# KiCad board boatcontrol.kicad_pcb (continued)
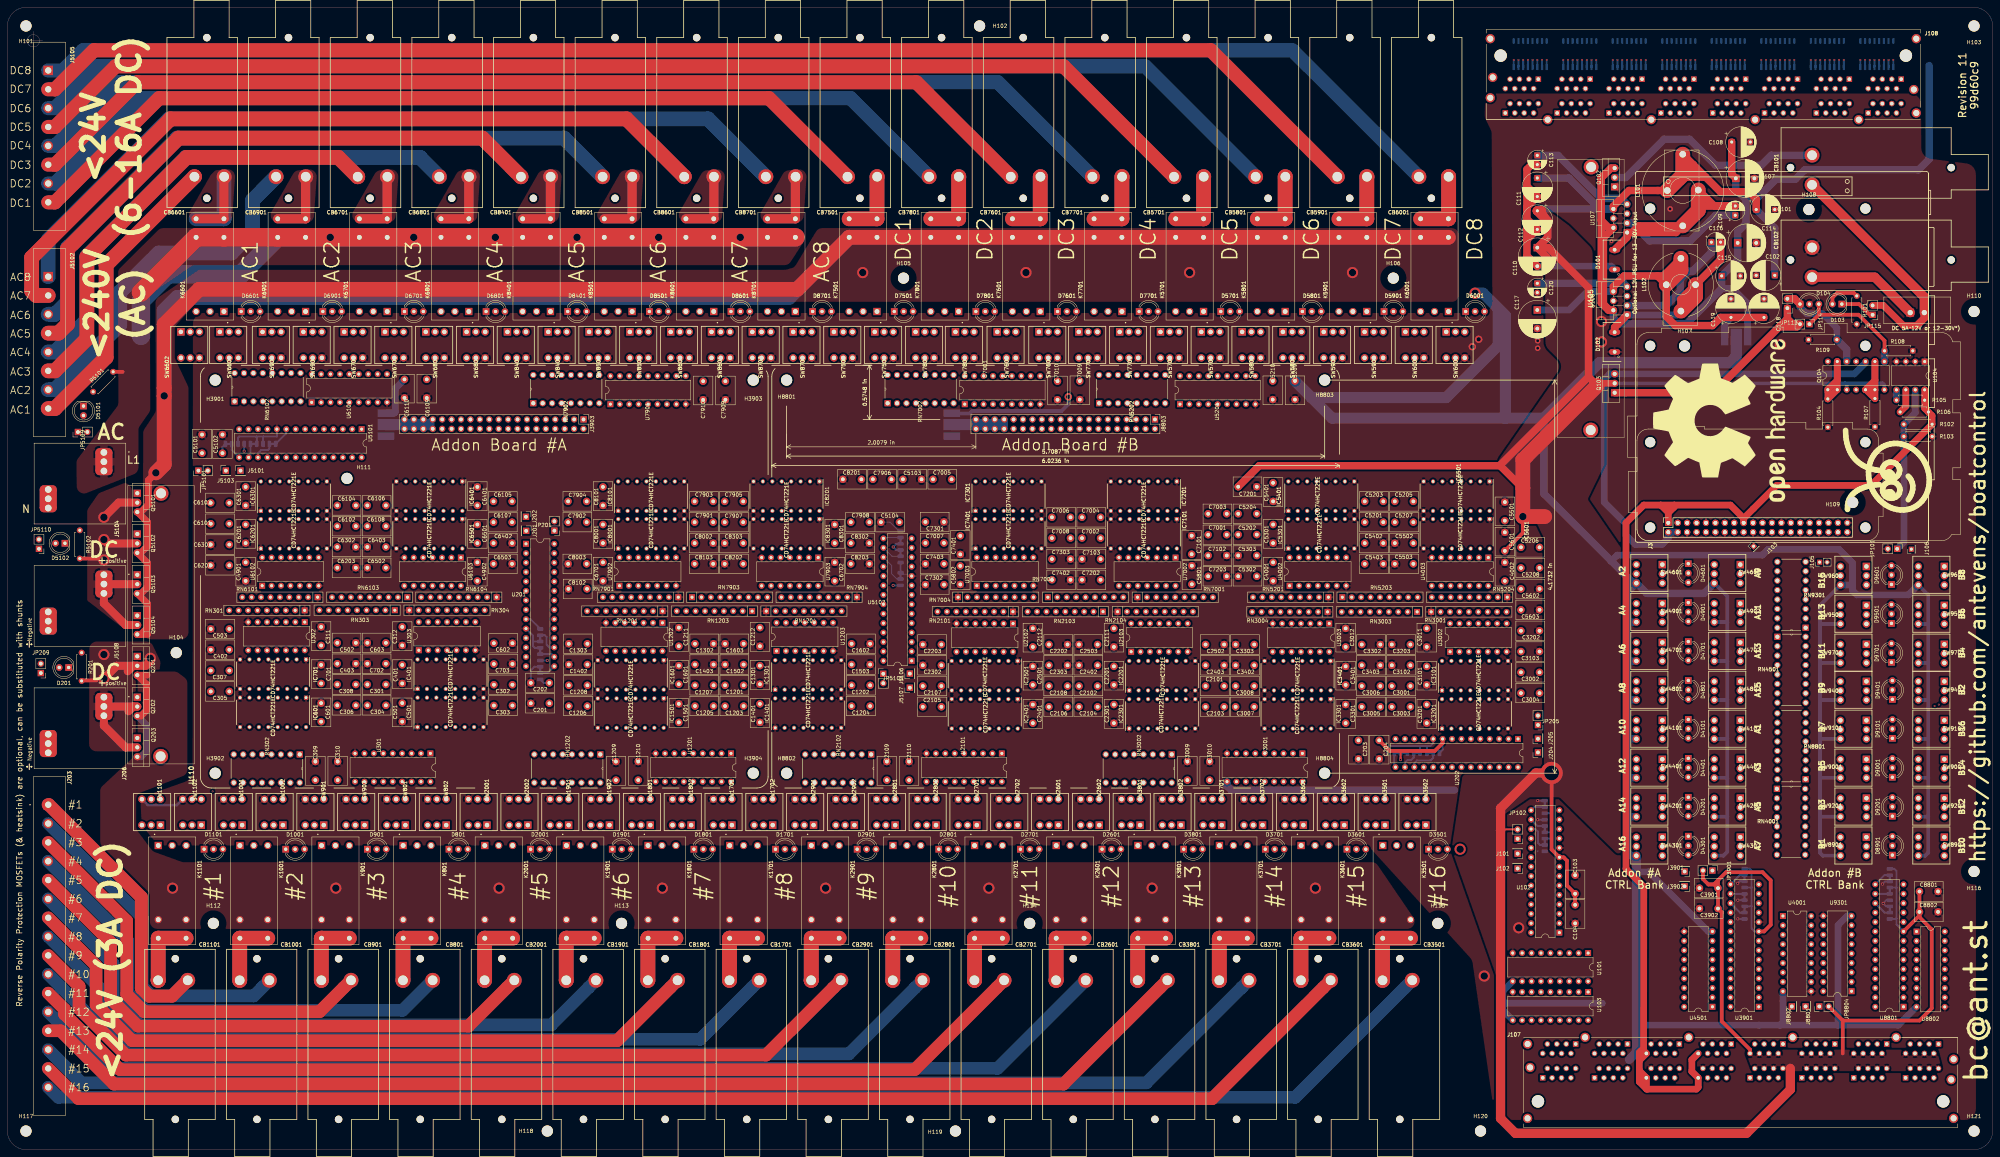
[diagram p0: board, top side]
## Routing (per net, layer and track width the routed paths; a pad name or vN(x,y) marks a point on that pad's centre or on a via; arc(x,y) is an arc through that point) (continued)
  In1.Cu w0.25: v4(206.15,176.05) 202.35,176.05 199.95,173.65 199.97,156.22 197.2,153.45 RN7903.6 ; v4(222.05,174) 222.3,173.75 232.5,173.75 v4(234.32,175.57)
  In2.Cu w0.25: v4(234.32,175.57) 234.32,179.68 C7906.1 ; v4(222.05,174) 221.25,174.8 210.87,174.8 209.62,176.05 v4(206.15,176.05) 206.15,176.06 IC8201.6
/Mixed 12V DC / 230V AC Common Bank/230V AC 6A Block/MultiVibrator6A3/RC1: length 25.2
  In2.Cu w0.25: IC8201.15 214.71,173.82 210.09,173.82 208.61,175.3 200.15,175.3 199.27,176.18 194.68,176.18 C7905.2
/Mixed 12V DC / 230V AC Common Bank/230V AC 6A Block/MultiVibrator6A3/RC2: length 52.9
  In1.Cu w0.25: v4(217.28,181.43) 217,181.7 205.13,181.7 203.6,180.17 ; v4(242.9,176.1) 242.8,176.1 242.67,176.23 234.04,176.23 232.29,174.47 v4(223.23,174.47)
  In2.Cu w0.25: C7906.2 v4(242.9,176.1) ; v4(217.28,181.43) 217.28,181.43 217.5,181.21 217.5,176.8 219,175.3 222.4,175.3 v4(223.23,174.47)
/Mixed 12V DC / 230V AC Common Bank/230V AC 6A Block/MultiVibrator6A4/MUX_OFF: length 70.3
  In1.Cu w0.25: v4(215.05,176.1) 214.19,175.24 212.41,175.24 210,172.84 210,171.34 IC8301.5 ; v4(178.2,192.55) 180.28,194.63 U7901.8
  In2.Cu w0.25: 215.05,176.05 v4(215.05,176.1) 215.05,181.05 214.55,181.55 213.24,181.55 211.59,183.2 179.7,183.2 178.2,184.7 v4(178.2,192.55)
/Mixed 12V DC / 230V AC Common Bank/230V AC 6A Block/MultiVibrator6A4/MUX_ON: length 79.3
  In1.Cu w0.25: 211.22,162.08 217.25,168.1 217.25,174.1 v4(215.92,175.42) ; U7901.7 177.74,193.54 v4(176.72,192.53)
  In2.Cu w0.25: v4(215.92,175.42) 210.95,175.42 209.9,176.47 209.9,180.85 208.05,182.7 177.71,182.7 176.72,183.69 v4(176.72,192.53)
/Mixed 12V DC / 230V AC Common Bank/230V AC 6A Block/MultiVibrator6A4/R1: length 41.4
  In2.Cu w0.25: 213.76,162.08 210.17,165.68 201.81,165.68 C7907.1 196.92,167.81 196.92,156.88 201.84,151.96 201.84,150.52 202.28,150.08 RN7903.8
/Mixed 12V DC / 230V AC Common Bank/230V AC 6A Block/MultiVibrator6A4/R2: length 49
  In1.Cu w0.25: IC8301.6 206.15,163.54 206.15,163.55 206.15,163.52 204.9,162.27 204.9,161.45 204.4,160.95 202.6,160.95 201.92,160.27 201.92,151.63 202.7,150.85 204.05,150.85 204.82,150.08 RN7903.9
  In2.Cu w0.25: C7908.1 225.29,167.18 221.92,167.18 220.55,168.55 207.62,168.55 IC8301.6
/Mixed 12V DC / 230V AC Common Bank/230V AC 6A Block/MultiVibrator6A4/RC1: length 27.9
  In2.Cu w0.25: IC8301.15 211.71,166.68 205.56,166.68 202.35,169.89 202.35,170.45 201.7,171.1 195.21,171.1 C7907.2
/Mixed 12V DC / 230V AC Common Bank/230V AC 6A Block/MultiVibrator6A4/RC2: length 31.1
  In2.Cu w0.25: C7908.2 229.79,166.68 221.72,166.68 220.34,168.05 205.58,168.05 203.6,170.02
/Mixed 12V DC / 230V AC Common Bank/230V AC 6A Block/OUT_C1: length 223.3
  Bottom w4: J5102.1 11,245.35 43.6,277.95 188.8,277.95 CB8701.P2
/Mixed 12V DC / 230V AC Common Bank/230V AC 6A Block/OUT_C2: length 211.8
  Top w4: CB8601.P2 166.8,277.95 43.94,277.95 6.52,240.54 6.52,231.56 7.77,230.32 J5102.2
/Mixed 12V DC / 230V AC Common Bank/230V AC 6A Block/OUT_C3: length 181.9
  Bottom w4: J5102.3 12.8,225.24 16.2,228.64 16.2,243.2 45.75,272.75 150,272.75 CB8501.P2
/Mixed 12V DC / 230V AC Common Bank/230V AC 6A Block/OUT_C4: length 165.4
  Top w4: CB8401.P2 128,272.75 46.09,272.75 16.2,242.86 16.2,222.61 13.75,220.16 J5102.4
/Mixed 12V DC / 230V AC Common Bank/230V AC 10/16A Block/10AC1/DISABLED_INDICATOR: length 12.4
  In1.Cu w1: SW6801.3 127,222.25 119.5,222.25 SW6802.3
/Mixed 12V DC / 230V AC Common Bank/230V AC 10/16A Block/10AC1/OFF: length 25.8
  In2.Cu w0.25: SW6801.4 122.34,213.5 119.84,211 101.66,211 U6101.11
/Mixed 12V DC / 230V AC Common Bank/230V AC 10/16A Block/10AC1/OFF_COIL: length 50.4
  In2.Cu w0.25: RN6102.10 78.67,211.6 86.11,211.6 89.88,215.38 111.54,215.38 115.25,219.09 SW6802.2
  In2.Cu w1: SW6802.2 115.25,224.4 K6801.8
/Mixed 12V DC / 230V AC Common Bank/230V AC 10/16A Block/10AC1/OFF_LED: length 70.9
  In1.Cu w0.25: D6801.3 131.88,223.8 131.88,213.88 123.44,205.44 82.68,205.44 RN6102.8
/Mixed 12V DC / 230V AC Common Bank/230V AC 10/16A Block/10AC1/OFF_TO_ON: length 29.5
  In1.Cu w1: SW6802.1 112.75,220.59 115.66,223.5 128.34,223.5 130.5,221.34 130.5,217.75 SW6801.5
/Mixed 12V DC / 230V AC Common Bank/230V AC 10/16A Block/10AC1/ON: length 17.3
  In2.Cu w0.25: SW6802.4 110.75,211.5 99.62,211.5 U6101.12
/Mixed 12V DC / 230V AC Common Bank/230V AC 10/16A Block/10AC1/ON_COIL: length 59
  In2.Cu w0.25: SW6801.2 126.25,219.09 122.04,214.88 90.09,214.88 86.31,211.1 80.71,211.1 RN6102.9
  In2.Cu w1: SW6801.2 126.25,224.1 K6801.1
/Mixed 12V DC / 230V AC Common Bank/230V AC 10/16A Block/10AC1/ON_LED: length 73.6
  In1.Cu w0.25: D6801.1 129,224.85 131.38,222.47 131.38,214.09 123.23,205.94 79.45,205.94 76.46,202.95 RN6102.7
/Mixed 12V DC / 230V AC Common Bank/230V AC 10/16A Block/10AC1/ON_TO_OFF: length 11.4
  In1.Cu w1: SW6802.5 122.25,220.5 SW6801.1
/Mixed 12V DC / 230V AC Common Bank/230V AC 10/16A Block/10AC1/TO_FUSE: length 37.7
  Top w2.5: CB6801.P1 124.35,262.3 K6801.4 K6801.5
  Bottom w2.5: K6801.5 K6801.4 124.4,251.05 CB6801.P1
/Mixed 12V DC / 230V AC Common Bank/230V AC 10/16A Block/10AC2/DISABLED_INDICATOR: length 12.4
  In1.Cu w1: SW6702.3 97.5,222.25 105,222.25 SW6701.3
/Mixed 12V DC / 230V AC Common Bank/230V AC 10/16A Block/10AC2/OFF: length 8.9
  In2.Cu w0.25: SW6701.4 100.37,212.12 97.7,212.12 U6101.13
/Mixed 12V DC / 230V AC Common Bank/230V AC 10/16A Block/10AC2/OFF_COIL: length 33.5
  In2.Cu w0.25: SW6702.2 93.25,219.09 92.66,218.5 82.33,218.5 74.43,210.6 72.59,210.6 RN6102.12
  In2.Cu w1: K6701.8 93.25,224.4 SW6702.2
/Mixed 12V DC / 230V AC Common Bank/230V AC 10/16A Block/10AC2/OFF_LED: length 54.9
  In1.Cu w0.25: RN6102.6 78.6,206.44 99.34,206.44 101.05,208.15 101.05,209.74 101.94,210.62 106.62,210.62 109.88,213.88 109.88,223.8 D6701.3
/Mixed 12V DC / 230V AC Common Bank/230V AC 10/16A Block/10AC2/OFF_TO_ON: length 29.5
  In1.Cu w1: SW6702.1 93.75,223.5 106.34,223.5 108.5,221.34 108.5,217.75 SW6701.5
/Mixed 12V DC / 230V AC Common Bank/230V AC 10/16A Block/10AC2/ON: length 5
  In2.Cu w0.25: SW6702.4 90.75,210.53 U6101.14
/Mixed 12V DC / 230V AC Common Bank/230V AC 10/16A Block/10AC2/ON_COIL: length 42
  In2.Cu w0.25: RN6102.11 76.63,212.1 85.9,212.1 89.68,215.88 101.04,215.88 104.25,219.09 SW6701.2
  In2.Cu w1: SW6701.2 104.25,224.1 K6701.1
/Mixed 12V DC / 230V AC Common Bank/230V AC 10/16A Block/10AC2/ON_LED: length 57.3
  In1.Cu w0.25: D6701.1 107,224.85 109.38,222.47 109.38,214.09 106.89,211.6 99.5,211.6 98.5,210.6 98.5,208.4 97.04,206.94 76.56,206.94 RN6102.5
/Mixed 12V DC / 230V AC Common Bank/230V AC 10/16A Block/10AC2/ON_TO_OFF: length 11.4
  In1.Cu w1: SW6702.5 100.25,220.5 SW6701.1
/Mixed 12V DC / 230V AC Common Bank/230V AC 10/16A Block/10AC2/TO_FUSE: length 37.7
  Top w2.5: CB6701.P1 102.35,262.3 K6701.4 K6701.5
  Bottom w2.5: K6701.5 K6701.4 102.4,251.05 CB6701.P1
/Mixed 12V DC / 230V AC Common Bank/230V AC 10/16A Block/16AC1/DISABLED_INDICATOR: length 12.4
  In1.Cu w1: SW6901.3 83,222.25 75.5,222.25 SW6902.3
/Mixed 12V DC / 230V AC Common Bank/230V AC 10/16A Block/16AC1/OFF: length 11.7
  In1.Cu w0.25: SW6901.4 81.13,212.12 86.62,212.12 U6101.15
/Mixed 12V DC / 230V AC Common Bank/230V AC 10/16A Block/16AC1/OFF_COIL: length 25.7
  In2.Cu w0.25: SW6902.2 75.13,216.62 75.13,212.84 73.89,211.6 68.51,211.6 RN6102.14
  In2.Cu w1: SW6902.2 71.25,224.4 K6901.8
/Mixed 12V DC / 230V AC Common Bank/230V AC 10/16A Block/16AC1/OFF_LED: length 48.4
  In1.Cu w0.25: D6901.3 89.18,225.1 89.18,213.03 90.09,212.12 91.28,212.12 93.45,209.95 93.45,208.62 92.27,207.44 73.33,207.44 68.84,202.95 RN6102.4
/Mixed 12V DC / 230V AC Common Bank/230V AC 10/16A Block/16AC1/OFF_TO_ON: length 29.5
  In1.Cu w1: SW6901.5 86.5,217.75 86.5,221.34 84.34,223.5 71.66,223.5 68.75,220.59 SW6902.1
/Mixed 12V DC / 230V AC Common Bank/230V AC 10/16A Block/16AC1/ON: length 20.1
  In1.Cu w0.25: U6101.16 84.58,211.62 70.63,211.62 SW6902.4
/Mixed 12V DC / 230V AC Common Bank/230V AC 10/16A Block/16AC1/ON_COIL: length 25.1
  In2.Cu w0.25: SW6901.2 81.25,219.5 81.25,218.13 74.22,211.1 70.55,211.1 RN6102.13
  In2.Cu w1: SW6901.2 82.25,224.1 K6901.1
/Mixed 12V DC / 230V AC Common Bank/230V AC 10/16A Block/16AC1/ON_LED: length 48.1
  In1.Cu w0.25: RN6102.3 66.3,202.95 71.29,207.94 90.49,207.94 90.9,208.35 90.9,210.61 87.38,214.13 87.38,222.47 85,224.85 D6901.1
/Mixed 12V DC / 230V AC Common Bank/230V AC 10/16A Block/16AC1/ON_TO_OFF: length 11.4
  In1.Cu w1: SW6901.1 78.25,220.5 SW6902.5
/Mixed 12V DC / 230V AC Common Bank/230V AC 10/16A Block/16AC1/TO_FUSE: length 37.7
  Top w2.5: K6901.5 K6901.4 80.35,262.3
  Bottom w2.5: CB6901.P1 80.4,251.05 K6901.4 K6901.5
/Mixed 12V DC / 230V AC Common Bank/230V AC 10/16A Block/16AC2/DISABLED_INDICATOR: length 11.9
  In1.Cu w1: SW6602.3 53.5,222.25 60.5,222.25 SW6601.3
/Mixed 12V DC / 230V AC Common Bank/230V AC 10/16A Block/16AC2/OFF: length 35
  In2.Cu w0.25: SW6601.4 57.25,210.36 60.76,206.85 78.85,206.85 80.55,208.55 80.55,210.23 80.92,210.6 83.06,210.6 U6101.17
/Mixed 12V DC / 230V AC Common Bank/230V AC 10/16A Block/16AC2/OFF_COIL: length 28.9
  In2.Cu w0.25: SW6602.2 50.63,219.12 58.66,219.12 63.63,214.16 63.63,211.79 RN6102.16
  In2.Cu w1: K6601.8 49.25,224.4 SW6602.2
/Mixed 12V DC / 230V AC Common Bank/230V AC 10/16A Block/16AC2/OFF_LED: length 26
  In1.Cu w0.25: RN6102.2 64.97,202.98 64.97,210.67 67.37,213.07 67.37,224.02 68.08,224.73 D6601.3
/Mixed 12V DC / 230V AC Common Bank/230V AC 10/16A Block/16AC2/OFF_TO_ON: length 29
  Top w1: SW6602.1 46.75,220.59
  In1.Cu w1: 46.75,220.59 49.66,223.5 61.84,223.5 64,221.34 64,217.75 SW6601.5
/Mixed 12V DC / 230V AC Common Bank/230V AC 10/16A Block/16AC2/ON: length 39.4
  In2.Cu w0.25: SW6602.4 49.85,210.4 56.5,210.4 60.55,206.35 79.23,206.35 U6101.18
/Mixed 12V DC / 230V AC Common Bank/230V AC 10/16A Block/16AC2/ON_COIL: length 19.2
  In2.Cu w0.25: SW6601.2 64.13,216.12 64.13,210.94 63.76,210.57 RN6102.15
  In2.Cu w1: SW6601.2 59.75,224.6 K6601.1
/Mixed 12V DC / 230V AC Common Bank/230V AC 10/16A Block/16AC2/ON_LED: length 26.5
  In1.Cu w0.25: D6601.1 63,224.85 64.88,222.97 64.88,214.09 62.43,211.65 62.43,204.07 61.22,202.86 RN6102.1
/Mixed 12V DC / 230V AC Common Bank/230V AC 10/16A Block/16AC2/ON_TO_OFF: length 10.9
  In1.Cu w1: SW6602.5 56.25,220.5 SW6601.1
/Mixed 12V DC / 230V AC Common Bank/230V AC 10/16A Block/16AC2/TO_FUSE: length 37.7
  Top w2.5: CB6601.P1 58.35,262.3 K6601.4 K6601.5
  Bottom w4: K6601.5 K6601.4 58.4,251.05 CB6601.P1
/Mixed 12V DC / 230V AC Common Bank/230V AC 10/16A Block/DIG_OFF_C1: length 41.6
  In1.Cu w0.25: U6102.4 76.27,151.78 RN6101.5
  In2.Cu w0.25: U6102.4 76.27,157.53 74.98,158.82 74.98,167.33 77.37,169.72 77.37,182.65 80.23,185.52 U5101.22
/Mixed 12V DC / 230V AC Common Bank/230V AC 10/16A Block/DIG_OFF_C2: length 45.7
  In1.Cu w0.25: RN6101.6 72.08,150.13 73.63,150.13 75.09,151.59 75.09,158.31 U6102.12 74.53,160.47 74.53,162.43 79.7,167.6 79.7,174.8 82.25,177.35 82.25,183.59 U5101.24
/Mixed 12V DC / 230V AC Common Bank/230V AC 10/16A Block/DIG_OFF_C3: length 61.3
  In1.Cu w0.25: v4(108.8,181.5) 108.8,161.4 109.25,160.95 113.28,160.95 U6103.4 118.35,155.88 118.35,150.85 119.12,150.08 RN6104.6
  In2.Cu w0.25: U5101.26 92.29,188.55 96.05,188.55 103.1,181.5 v4(108.8,181.5)
/Mixed 12V DC / 230V AC Common Bank/230V AC 10/16A Block/DIG_OFF_C4: length 60.2
  In1.Cu w0.25: 102.5,153.9 v4(102.45,153.95) 95.5,160.9 v4(95.5,170.55) ; U6103.12 117.12,150.9 117.76,150.26 117.76,148.58 118.56,147.77 120.48,147.77 RN6104.5
  In2.Cu w0.25: v4(95.5,170.55) 95.5,175 96.27,175.77 96.27,185.85 U5101.28 ; U6103.12 115.2,153.95 v4(102.45,153.95)
/Mixed 12V DC / 230V AC Common Bank/230V AC 10/16A Block/DIG_ON_C1: length 45
  In1.Cu w0.25: RN6101.9 66.38,152.05 U6102.1
  In2.Cu w0.25: U5101.21 77.69,184.44 74.7,181.45 74.7,169 72.44,166.74 72.44,156.91 72.45,156.9 68.65,153.1 U6102.1
/Mixed 12V DC / 230V AC Common Bank/230V AC 10/16A Block/DIG_ON_C2: length 43.2
  In1.Cu w0.25: RN6101.2 82.65,150.54 82.65,154.4 81.35,155.7 U6102.9
  In2.Cu w0.25: U6102.9 80.06,160.96 80.06,162.52 81.24,163.69 81.24,166.67 80.06,167.85 80.06,172.68 84.8,177.42 84.8,180.95 82.77,182.98 U5101.23
/Mixed 12V DC / 230V AC Common Bank/230V AC 10/16A Block/DIG_ON_C3: length 73.5
  In1.Cu w0.25: 122.2,158.75 122.2,155.76 126.21,151.75 126.48,151.75 RN6104.2 ; 122.2,158.6 U6103.1 122.2,160.7 121.3,161.6 121.3,181 120.73,181.57 v4(110.43,181.57)
  In2.Cu w0.25: 110.5,181.5 v4(110.43,181.57) 109.88,182.12 103.19,182.12 96.26,189.05 90.25,189.05 U5101.25
/Mixed 12V DC / 230V AC Common Bank/230V AC 10/16A Block/DIG_ON_C4: length 61.5
  In1.Cu w0.25: U6103.9 109.5,150.95 RN6104.9 110.32,147.77 102.16,147.77 101.45,148.48 101.45,150.3 96.85,154.9 93.86,154.9 92.15,156.61 92.15,174.29 94.26,176.4 v4(94.75,176.4)
  In2.Cu w0.25: U5101.27 95.77,183.81 95.77,177.42 v4(94.75,176.4)
/Mixed 12V DC / 230V AC Common Bank/230V AC 10/16A Block/MultiVibrator10A1/MUX_OFF: length 43.7
  In1.Cu w0.25: IC6201.5 78.47,163.51 82.25,167.3 82.25,174.45 84.8,177 v4(84.8,183.4)
  In2.Cu w0.25: U6101.2 86.65,199.39 86.65,185.25 v4(84.8,183.4)
/Mixed 12V DC / 230V AC Common Bank/230V AC 10/16A Block/MultiVibrator10A1/MUX_ON: length 36.7
  In2.Cu w0.25: U6101.1 80.95,201.5 76.45,197 76.45,193.6 78.95,191.1 78.95,184.99 76.87,182.91 76.87,170.96 IC6201.13
/Mixed 12V DC / 230V AC Common Bank/230V AC 10/16A Block/MultiVibrator10A1/R1: length 66.1
  In2.Cu w0.25: RN6103.9 85.56,150.87 60.32,150.87 57.05,154.15 57.05,164.88 57.88,165.7 ; IC6201.14 69.06,165.7 57.88,165.7 ; 57.88,165.7 C6101.1
/Mixed 12V DC / 230V AC Common Bank/230V AC 10/16A Block/MultiVibrator10A1/R2: length 27.3
  In1.Cu w0.25: IC6201.6 82.6,160.49 82.6,156.37 RN6103.8
  In2.Cu w0.25: IC6201.6 87.02,168.1 C6102.1
/Mixed 12V DC / 230V AC Common Bank/230V AC 10/16A Block/MultiVibrator10A1/RC1: length 13.3
  In2.Cu w0.25: IC6201.15 67.52,166.7 61.88,166.7 C6101.2
/Mixed 12V DC / 230V AC Common Bank/230V AC 10/16A Block/MultiVibrator10A1/RC2: length 12.8
  In2.Cu w0.25: C6102.2 91.15,165.35 86.81,165.35 IC6201.7
/Mixed 12V DC / 230V AC Common Bank/230V AC 10/16A Block/MultiVibrator10A2/MUX_OFF: length 40
  In2.Cu w0.25: U6101.4 87.47,203.65 84.4,203.65 83.3,202.55 83.3,197.2 81.55,195.45 81.55,182.75 79.75,180.95 79.75,176.25 78.47,174.97 IC6301.5
/Mixed 12V DC / 230V AC Common Bank/230V AC 10/16A Block/MultiVibrator10A2/MUX_ON: length 33.9
  In1.Cu w0.25: IC6301.13 75.92,185.12 76.4,185.6 76.4,187.4 77.2,188.2 87.85,188.2 v4(88.63,188.98)
  In2.Cu w0.25: v4(88.63,188.98) 89.1,189.45 89.1,199.48 U6101.3
/Mixed 12V DC / 230V AC Common Bank/230V AC 10/16A Block/MultiVibrator10A2/R1: length 81.8
  In2.Cu w0.25: RN6103.7 91.38,147.77 86.88,147.77 85.55,149.1 85.55,149.65 84.83,150.37 60.12,150.37 56.55,153.94 56.55,164 52.78,167.77 52.78,169.98 57.2,174.4 C6103.1 61.05,175.65 68.86,175.65 IC6301.14
/Mixed 12V DC / 230V AC Common Bank/230V AC 10/16A Block/MultiVibrator10A2/R2: length 38.6
  In1.Cu w0.25: C6104.1 90.65,171.95 90.65,166.5 87.52,163.37 87.52,156.24 88.41,155.35 88.7,155.35 RN6103.6
  In2.Cu w0.25: IC6301.6 82.47,173.7 C6104.1
/Mixed 12V DC / 230V AC Common Bank/230V AC 10/16A Block/MultiVibrator10A2/RC1: length 18.4
  In2.Cu w0.25: IC6301.15 67.32,176.65 57.05,176.65 C6103.2
/Mixed 12V DC / 230V AC Common Bank/230V AC 10/16A Block/MultiVibrator10A2/RC2: length 12
  In2.Cu w0.25: C6104.2 92.15,171.95 88.15,171.95 86.9,173.2 84.51,173.2 IC6301.7
/Mixed 12V DC / 230V AC Common Bank/230V AC 10/16A Block/MultiVibrator16A1/MUX_OFF: length 32.7
  In2.Cu w0.25: U6101.6 97.5,198.7 97.5,189.22 103.6,183.12 110.49,183.12 112.44,181.17 IC6401.5
/Mixed 12V DC / 230V AC Common Bank/230V AC 10/16A Block/MultiVibrator16A1/MUX_ON: length 47.7
  In2.Cu w0.25: U6101.5 97,196.66 97,189.01 103.39,182.62 110.28,182.62 111.15,181.75 111.15,176.06 IC6401.13 111.49,175.71
/Mixed 12V DC / 230V AC Common Bank/230V AC 10/16A Block/MultiVibrator16A1/R1: length 52.4
  In2.Cu w0.25: RN6103.5 100.3,151.61 100.3,163.35 101.5,164.55 110.89,164.55 116.25,169.91 116.25,170.97 IC6401.14 121.08,175.8 130,175.8 C6105.1
/Mixed 12V DC / 230V AC Common Bank/230V AC 10/16A Block/MultiVibrator16A1/R2: length 44.4
  In2.Cu w0.25: IC6401.6 107.87,178.15 106.45,178.15 C6106.1 100.2,173.7 95.55,169.05 95.55,151.2 96.4,150.35 96.4,148.45 97.08,147.77 99,147.77 RN6103.4
/Mixed 12V DC / 230V AC Common Bank/230V AC 10/16A Block/MultiVibrator16A1/RC1: length 18.7
  In2.Cu w0.25: IC6401.15 123.07,175.25 127.85,175.25 129.95,173.15 134.35,173.15 C6105.2
/Mixed 12V DC / 230V AC Common Bank/230V AC 10/16A Block/MultiVibrator16A1/RC2: length 13
  In2.Cu w0.25: 107.35,180.17 106.03,178.85 102.15,178.85 C6106.2
/Mixed 12V DC / 230V AC Common Bank/230V AC 10/16A Block/MultiVibrator16A2/MUX_OFF: length 47.6
  In2.Cu w0.25: 116.25,180.29 116.25,171.75 115.6,171.1 113.51,171.1 IC6501.5 ; 116.25,180.29 115.43,181.11 113.91,181.11 110.9,184.12 104.02,184.12 98.54,189.6 98.54,200.26 U6101.8 ; 116.25,180.29 116.25,179.75
/Mixed 12V DC / 230V AC Common Bank/230V AC 10/16A Block/MultiVibrator16A2/MUX_ON: length 53.8
  In1.Cu w0.25: IC6501.13 118.61,165.72 118.61,174.19 v4(115.6,177.2)
  In2.Cu w0.25: v4(115.6,177.2) 115.6,177.8 113.7,179.7 113.7,180.61 110.69,183.62 103.81,183.62 98.04,189.39 98.04,200.7 U6101.7
/Mixed 12V DC / 230V AC Common Bank/230V AC 10/16A Block/MultiVibrator16A2/R1: length 37.4
  In1.Cu w0.25: v4(108.05,155.5) 105.26,152.71 RN6103.2 ; v4(115.95,160.95) 117.08,162.08 IC6501.14
  In2.Cu w0.25: C6107.1 128.76,166.95 122.38,166.95 IC6501.14 ; v4(108.05,155.5) 108.08,155.53 110.38,155.53 113.3,158.45 113.3,160.3 113.95,160.95 v4(115.95,160.95)
/Mixed 12V DC / 230V AC Common Bank/230V AC 10/16A Block/MultiVibrator16A2/R2: length 28.9
  In1.Cu w0.25: RN6103.3 103.65,149.88 103.65,166.45 C6108.1
  In2.Cu w0.25: IC6501.6 107.97,168.1 C6108.1
/Mixed 12V DC / 230V AC Common Bank/230V AC 10/16A Block/MultiVibrator16A2/RC1: length 18.9
  In2.Cu w0.25: IC6501.15 124.42,166.45 133.26,166.45 C6107.2
/Mixed 12V DC / 230V AC Common Bank/230V AC 10/16A Block/MultiVibrator16A2/RC2: length 11.9
  In2.Cu w0.25: C6108.2 98.65,169.75 102.7,169.75 103.65,168.8 106.13,168.8 107.35,170.02
/Mixed 12V DC / 230V AC Common Bank/230V AC 10/16A Block/OUT_C1: length 139.4
  Bottom w4: CB6801.P2 111.2,267.55 48.05,267.55 21.4,240.9 21.4,223.68 12.8,215.08 J5102.5
/Mixed 12V DC / 230V AC Common Bank/230V AC 10/16A Block/OUT_C2: length 122.3
  Top w4: CB6701.P2 89.2,267.55 48.25,267.55 21.4,240.7 21.4,218.6 12.8,210 J5102.6
/Mixed 12V DC / 230V AC Common Bank/230V AC 10/16A Block/OUT_C3: length 100.7
  Bottom w4: 68.67,258.62 CB6901.P2 66.06,256.01 66.06,247.46 60.38,241.77 40.8,241.77 30.25,231.22 30.25,222.37 12.8,204.92 J5102.7
/Mixed 12V DC / 230V AC Common Bank/230V AC 10/16A Block/OUT_C4: length 79.9
  Top w4: CB6601.P2 26.6,238.55 26.6,238.5 26.6,213.64 12.8,199.84 J5102.8
/RPi3.3V: length 309.3
  Top w1.8: J107.K_1 439.8,21.25 ; J107.K_1 440.64,18.3 439.8,18.3 ; J107.K_1 441.69,16.4 441.8,16.3 ; 439.8,21.25 439.8,21.52 ; 439.8,21.25 439.8,24.04 ; 439.8,21.25 439.8,18.3 ; 440.96,26.67 J107.C_8 439.8,24.04 ; 440.96,26.67 441,70.9 436.2,75.7 436.2,169 441,173.8 445.6,173.8 ; 440.96,26.67 440.27,26.67 439.8,26.2 439.8,24.04 ; 447.6,171.67 447.6,171.8 445.6,173.8 ; 447.6,171.67 J3.1 ; 447.6,171.67 449.2,173.27 449.2,173.8 ; U104.8 R105.1 516.7,199.9 R106.1 518.7,197.9 R102.1 502.2,179.1 476.8,179.1 467.92,170.22 ; 441.8,16.3 455.15,16.3 455.67,16.81 J107.L_1 453.95,21.06 453.95,24.21 J107.D_8 ; 441.8,16.3 439.8,18.3 ; 445.6,173.8 449.2,173.8 ; 449.2,173.8 464.34,173.8 467.92,170.22 ; 467.92,170.22 J3.17
/RPi5V: length 134.3
  Bottom w1.8: J3.4 J3.2 447.6,164.85 445.95,163.2 438.7,163.2 436.2,165.7 436.2,168.7 430.35,174.55 430.35,207.7 431.83,209.18 Q103.3 497.77,209.18 500.76,212.17 500.76,212.47
/RPiBCM0_ID_SD: length 281.1
  Top w1.8: U104.6 511.62,200.44 R106.2
  In1.Cu w0.25: v4(432,170.3) 432.15,170.45 432.15,171.57 438.59,178 455.14,178 458.14,175 463.66,175 465.92,172.75 474.36,172.75 476.86,170.25 479.41,170.25 479.41,170.23 J3.27 480.62,168.88 481.25,168.25 482.1,168.25 482.64,167.71 483.75,167.71 484.4,167.05 484.4,165.97 486.47,163.9 502,163.9 514.15,176.05 514.15,183.15 v4(516.5,185.5)
  In2.Cu w0.25: J107.C_3 448.05,30.77 440.2,38.62 440.2,64.65 429.62,75.23 429.62,167.92 v4(432,170.3) ; v4(516.5,185.5) 513.79,188.21 513.79,195.19 R106.2
/RPIBCM1_ID_SC: length 286.1
  In1.Cu w0.25: v4(517.45,184.5) 514.9,181.95 514.9,176.09 500.02,161.21 485.89,161.21 J3.28 480.62,166.58 479.95,167.25 479.12,167.25 478.58,167.79 477.49,167.79 476.8,168.49 476.8,169.55 476.79,169.61 474.15,172.25 465.71,172.25 463.45,174.5 457.94,174.5 454.94,177.5 438.79,177.5 435.16,173.87 435.16,173.84 432.65,171.33 432.65,169.85 v4(432,169.2)
  In2.Cu w0.25: J107.C_2 449.31,30.21 440.7,38.83 440.7,64.86 430.12,75.43 430.12,167.32 v4(432,169.2) ; R105.2 515.35,195.85 515.35,189.05 517.45,186.95 v4(517.45,184.5)
  Bottom w1.8: U104.5 R105.2
/RPiBCM4_GPCLK0: length 183.8
  In1.Cu w0.25: v4(434.5,64.5) 434.5,75.29 433.12,76.67 433.12,160.45 437.65,164.98 437.65,169.26 440.89,172.5 451.76,172.5 455.24,169.02
  In2.Cu w0.25: J107.K_5 445.16,17.74 440.45,17.74 440.08,18.1 440.08,22.36 438.58,23.86 438.58,33.87 435.7,36.75 435.7,62.38 434.5,63.57 v4(434.5,64.5)
/RPiBCM5: length 212.4
  In1.Cu w0.25: 483.18,169.02 481.45,170.75 477.06,170.75 474.56,173.25 466.12,173.25 463.87,175.5 458.35,175.5 455.35,178.5 438.38,178.5 431.65,171.77 431.65,171.05 v4(430.9,170.3)
  In2.Cu w0.25: v4(430.9,170.3) 429.12,168.52 429.12,75.02 439.7,64.44 439.7,38.41 446.77,31.34 J107.C_4
/RPiBCM6: length 216.5
  In1.Cu w0.25: v4(429.8,171.5) 437.8,179.5 455.77,179.5 458.76,176.5 464.28,176.5 466.54,174.25 474.98,174.25 477.48,171.75 482.99,171.75 485.72,169.02
  In2.Cu w0.25: J107.C_6 444.24,32.46 438.7,38 438.7,64.03 428.12,74.6 428.12,169.82 v4(429.8,171.5)
/RPiBCM9_MISO: length 204.1
  In1.Cu w0.25: 473.02,169.02 472.17,169.87 472.15,169.87 470.77,171.25 465.3,171.25 463.04,173.5 457.52,173.5 454.52,176.5 439.24,176.5 433.65,170.92 433.65,168.65 v4(433,168)
  In2.Cu w0.25: 431.12,162.92 431.12,75.85 441.7,65.27 441.7,39.24 451.36,29.58 451.52,29.58 454.06,27.04 457.09,27.04 J107.D_6 ; 431.12,162.92 431.12,163.12 ; 431.12,162.92 431.12,166.12 v4(433,168)
/RPiBCM10_MOSI: length 202.8
  In1.Cu w0.25: 470.48,169.02 469.25,170.25 464.88,170.25 462.63,172.5 457.11,172.5 454.11,175.5 439.65,175.5 434.65,170.5 434.65,166.9 434.35,166.6 v4(434,166.6)
  In2.Cu w0.25: v4(434,166.6) 433.65,166.6 432.12,165.08 432.12,76.31 442.7,65.74 442.7,39.65 449.97,32.38 456.27,32.38 459.07,29.58 460.12,29.58 460.7,29 460.75,28.95 J107.D_4
/RPiBCM11_SCLK: length 200.1
  In1.Cu w0.25: v4(433,169) 433.15,169.15 433.15,171.12 439,176.97 439,177 454.73,177 457.73,174 463.25,174 465.5,171.75 472.83,171.75 475.56,169.02
  In2.Cu w0.25: v4(433,169) 430.62,166.62 430.62,75.64 441.2,65.06 441.2,39.03 450.58,29.65 J107.C_1
/RPiBCM12: length 215.3
  In1.Cu w0.25: 485.72,166.48 484.41,167.79 484.41,169.61 482.77,171.25 477.27,171.25 474.77,173.75 466.33,173.75 464.08,176 458.56,176 455.56,179 438.15,179 430.9,171.75 v4(430.9,171.4)
  In2.Cu w0.25: J107.C_5 445.5,31.9 439.2,38.2 439.2,64.24 428.62,74.81 428.62,169.12 v4(430.9,171.4)
/RPiBCM13: length 243.5
  In1.Cu w0.25: v4(429.8,172.6) 430.19,172.6 437.59,180 455.97,180 458.97,177 464.49,177 466.75,174.75 475.18,174.75 477.64,172.29 484.99,172.29 488.26,169.02
  In2.Cu w0.25: J107.L_8 461.63,24.82 443.7,24.82 443.12,25.4 443.12,26.46 441.69,27.89 441.69,34.29 438.2,37.79 438.2,63.82 427.62,74.4 427.62,170.42 v4(429.8,172.6)
/RPiBCM14_TXD: length 186.9
  In1.Cu w0.25: v4(435.5,63.5) 435.5,75 433.62,76.88 433.62,160.25 438.15,164.78 438.15,169.05 441.1,172 451.53,172 453.93,169.61 453.93,168.52 455.24,167.21 455.24,166.48
  In2.Cu w0.25: J107.K_6 446.81,20.65 446.15,20.65 445.5,20 445.5,18.78 444.95,18.24 440.66,18.24 440.58,18.31 440.58,22.57 439.08,24.07 439.08,34.08 436.2,36.96 436.2,62.8 v4(435.5,63.5)
/RPiBCM15_RXD: length 195.8
  In1.Cu w0.25: v4(433.5,65.5) 433.5,75.59 432.62,76.46 432.62,160.66 437.15,165.19 437.15,169.47 440.69,173 453.07,173 456.47,169.61 456.47,167.79 457.78,166.48
  In2.Cu w0.25: J107.K_8 449.85,21.15 449.47,21.15 447.89,19.57 447.89,18.82 446.31,17.24 440.24,17.24 439.58,17.9 439.58,22.15 438.08,23.65 438.08,33.67 435.2,36.55 435.2,62.17 433.5,63.87 v4(433.5,65.5)
/RPiBCM16: length 252.6
  In1.Cu w0.25: v4(428.7,172.7) 429.23,173.23 430.1,173.23 430.38,173.5 430.39,173.5 437.39,180.5 456.18,180.5 459.18,177.5 464.7,177.5 466.95,175.25 475.39,175.25 477.85,172.79 485.2,172.79 487.74,170.25 488.85,170.25 489.49,169.61 489.49,167.79 490.8,166.48
  In2.Cu w0.25: J107.L_7 463.29,22.27 461.24,24.32 441.66,24.32 440.58,25.4 440.58,34.7 437.7,37.58 437.7,63.61 427.12,74.19 427.12,171.12 v4(428.7,172.7)
/RPiBCM17: length 200.7
  In1.Cu w0.25: v4(432.5,66.5) 432.5,75.88 432.12,76.25 432.12,160.87 436.65,165.4 436.65,169.68 440.48,173.5 453.28,173.5 456.28,170.5 458.84,170.5 460.32,169.02
  In2.Cu w0.25: 437.58,23.45 437.58,25.35 435.3,27.63 435.3,27.62 ; 437.58,23.45 437.58,25.34 435.3,27.62 ; 437.58,23.45 439.08,21.95 439.08,17.69 440.03,16.74 446.7,16.74 J107.K_7 ; 435.3,27.62 435.3,35.74 434.7,36.34 434.7,61.96 432.5,64.16 v4(432.5,66.5)
